# KiCad board FPGA-BOARDver3.kicad_pcb (continued)
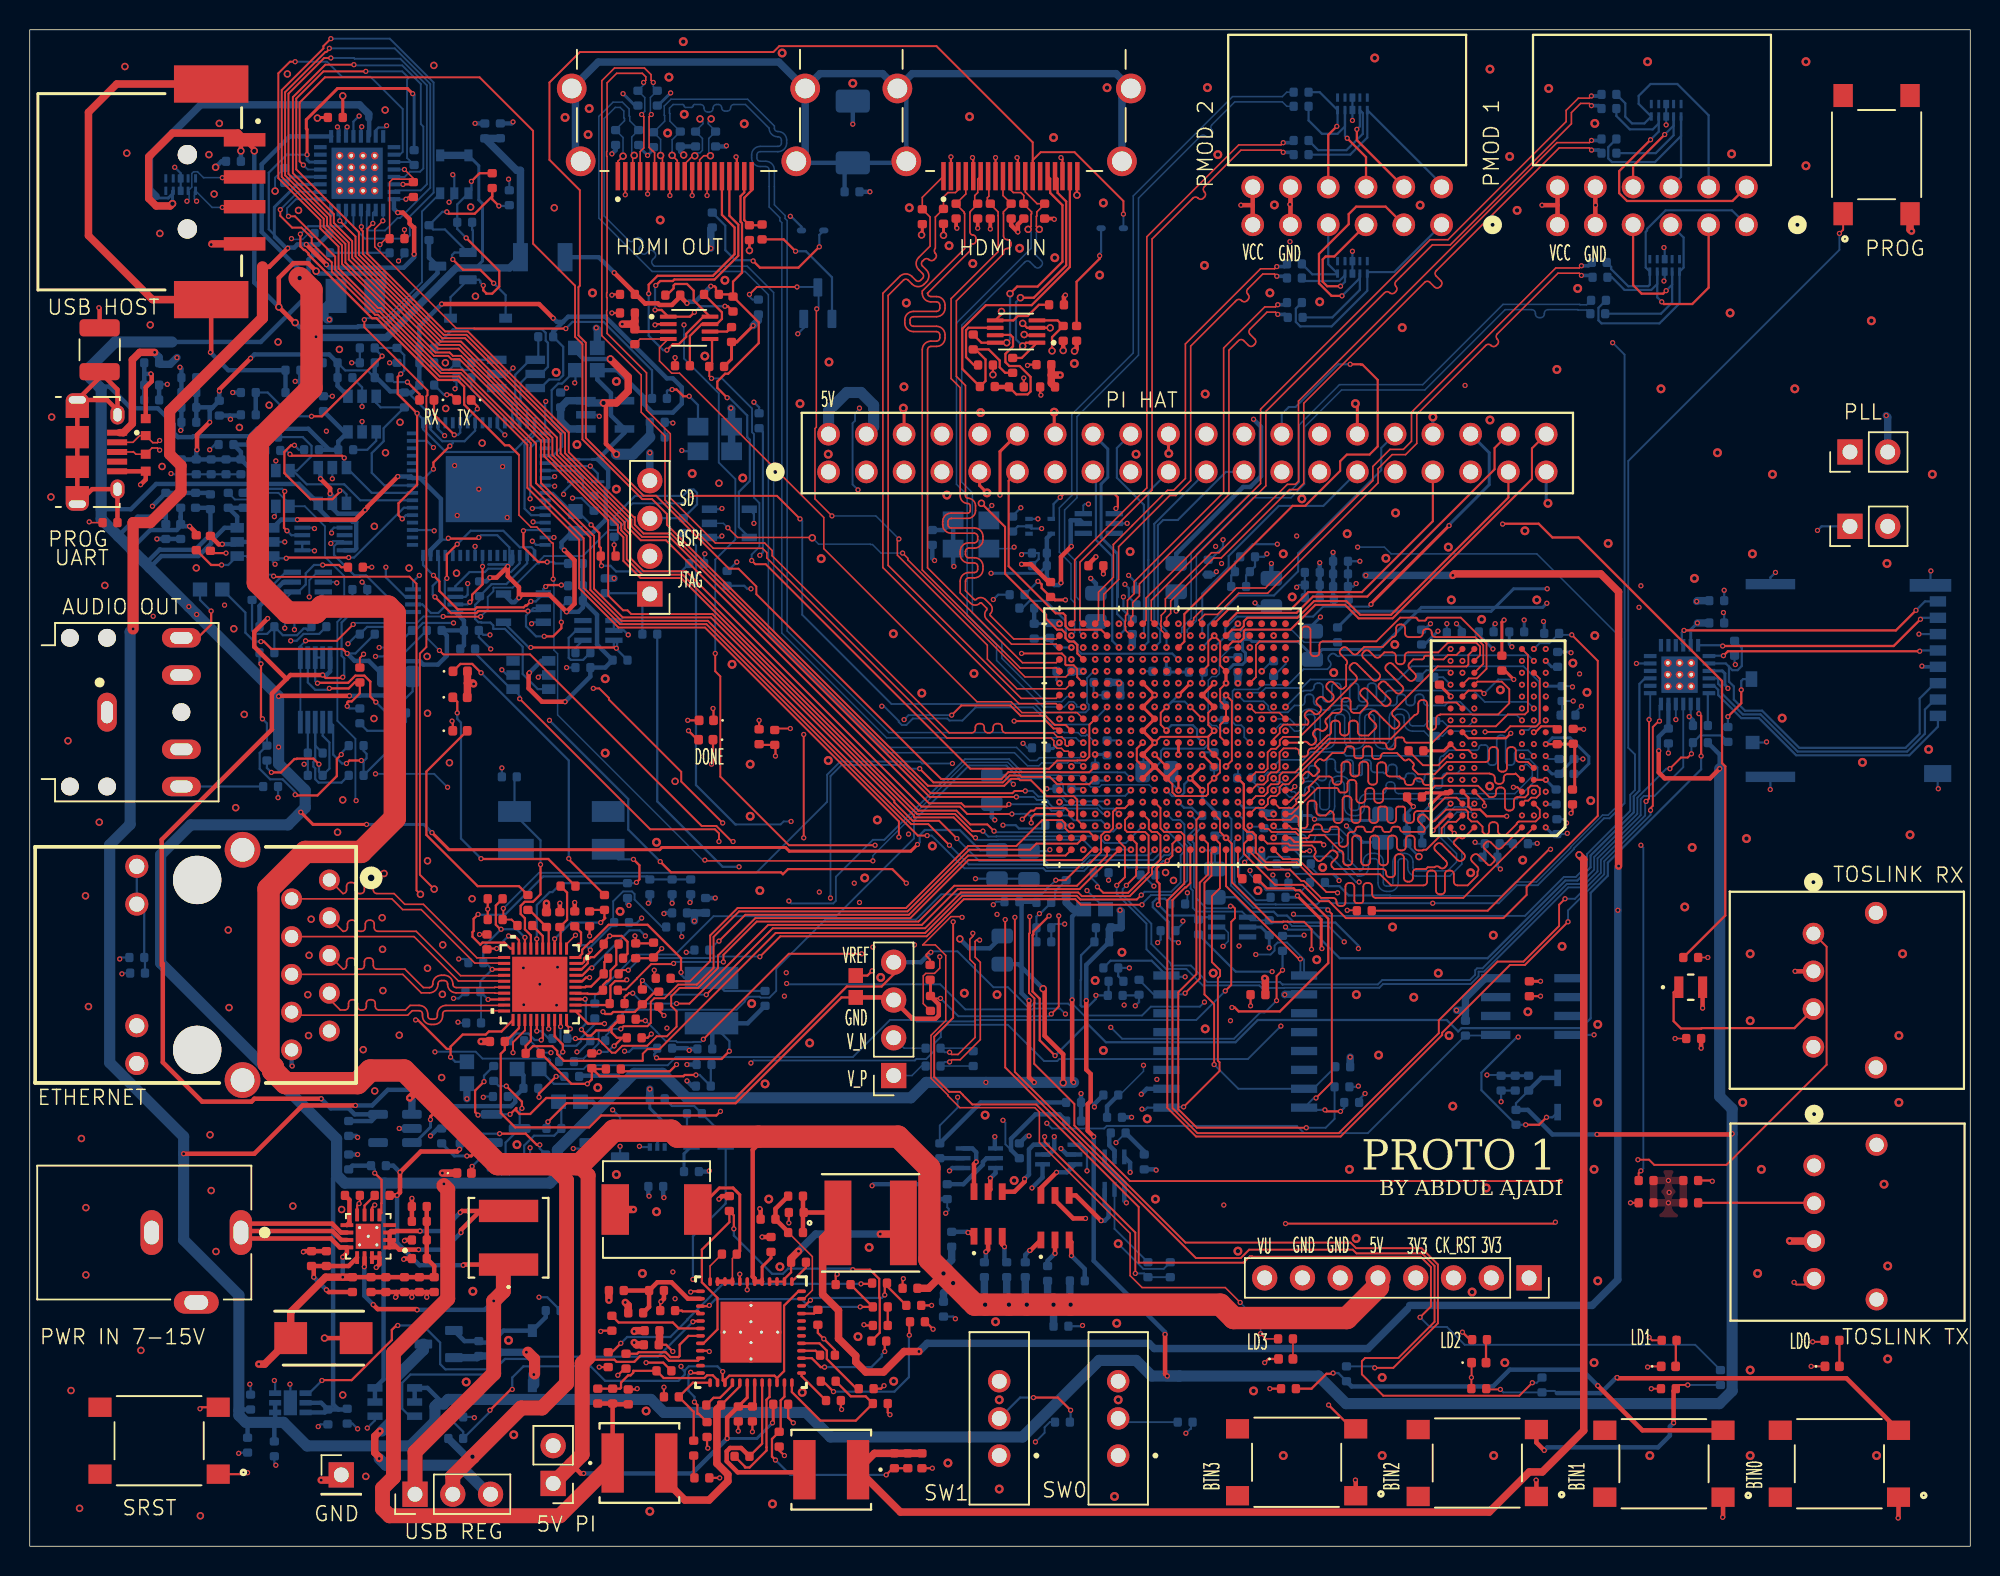
[diagram p0: board, top side]
## Footprints (pads in the part's own frame, mm; a bottom-side part is the same pattern mirrored in y, then rotated) (continued)
CONN_PPPC062LJBN-RC_SUL
  round 1.524 hole 1.016: 1(0,0) 2(2.54,0) 3(5.08,0) 4(7.62,0) 5(10.16,0) 6(12.7,0) 7(0,-2.54) 8(2.54,-2.54) 9(5.08,-2.54) 10(7.62,-2.54) 11(10.16,-2.54) 12(12.7,-2.54)
CONN_PRT-14017_SPK
  round 1.524 hole 1.016: 1(0,0) 2(0,2.54) 3(2.54,0) 4(2.54,2.54) 5(5.08,0) 6(5.08,2.54) 7(7.62,0) 8(7.62,2.54) 9(10.16,0) 10(10.16,2.54) 11(12.7,0) 12(12.7,2.54) 13(15.24,0) 14(15.24,2.54) 15(17.78,0) 16(17.78,2.54) 17(20.32,0) 18(20.32,2.54) 19(22.86,0) 20(22.86,2.54) 21(25.4,0) 22(25.4,2.54) 23(27.94,0) 24(27.94,2.54) 25(30.48,0) 26(30.48,2.54) 27(33.02,0) 28(33.02,2.54) 29(35.56,0) 30(35.56,2.54) 31(38.1,0) 32(38.1,2.54) 33(40.64,0) 34(40.64,2.54) 35(43.18,0) 36(43.18,2.54) 37(45.72,0) 38(45.72,2.54) 39(48.26,0) 40(48.26,2.54)
CR_050R3C2P_AVX
  rect 0.61x0.66 smd: 1(-0.572,0) 2(0.572,0)
CRYSTAL_TXC_7M
  rect 1.194x1.397 smd: 1(-0.826,1.13) 2(-0.826,-1.13) 3(0.826,-1.13) 4(0.826,1.13)
CUI_PJ-102AH
  oval 1.508x3.016 hole 1x1.6: 1(-6.5,0) 2(-0.5,0)
  oval 3.016x1.508 hole 1.6x1: 3(-3.5,4.7)
CUI_SJ1-3525NG
  round 1.2 hole 1.2 unplated: (-2.5,5) (-2.5,-5) (0,5) (0,-5) (5,0)
  oval 1.308x2.616 hole 0.8x1.5: 1(0,0)
  oval 2.616x1.308 hole 1.5x0.8: 2(5,-5) 3(5,5) 4(5,-2.5) 5(5,2.5)
DBV0005A_L
  rect 0.8x0.55 smd: 1(-1.275,0.95) 2(-1.275,0) 3(-1.275,-0.95) 4(1.275,-0.95) 5(1.275,0.95)
DBV0006A_L
  rect 0.9x0.65 smd: 1(-1.2,0.95) 2(-1.2,0) 3(-1.2,-0.95) 4(1.2,-0.95) 5(1.2,0) 6(1.2,0.95)
DIOM5436X244N
  rect 2.2x2.15 smd: 1(-2.2,0) 2(2.2,0)
DMG2305UX_13
  rrect 1.18x0.61 smd: 1(-1.025,0.915) 2(-1.025,-0.915) 3(1.025,0)
FDV301N
  rrect 1.23x0.6 smd: 1(-1.06,0.95) 2(-1.06,-0.95) 3(1.06,0)
FUSE_PRG-18_MUR
  rect 0.965x0.94 smd: 1(-0.749,0) 2(0.749,0)
HALO_FASTJACK
  round 3.25 hole 3.25 unplated: (-5.715,-3.05) (5.715,-3.05)
  round 1.4 hole 0.89: 1(-5.715,5.84) 2(-4.445,3.3) 3(-3.175,5.84) 4(-1.905,3.3) 5(-0.635,5.84) 6(0.635,3.3) 7(1.905,5.84) 8(3.175,3.3) 9(4.445,5.84) 10(5.715,3.3)
  round 1.55 hole 1.02: 11(-6.63,-7.11) 12(-4.09,-7.11) 13(4.09,-7.11) 14(6.63,-7.11)
  round 2.4 hole 1.6: 15(-7.745,0) 16(7.745,0)
IC_TPD4E05U06DQAR
  rrect 0.565x0.2 smd: 1(-0.417,1) 2(-0.417,0.5) 4(-0.417,-0.5) 5(-0.417,-1) 6(0.417,-1) 7(0.417,-0.5) 9(0.417,0.5) 10(0.417,1)
  rrect 0.565x0.4 smd: 3(-0.417,0) 8(0.417,0)
IND_SRP6540-1R5M
  rect 1.85x3.4 smd: 1(-2.775,0) 2(2.775,0)
IND_TAIYO_CBC2012_TAY
  rect 0.61x1.448 smd: 1(-0.8,0) 2(0.8,0)
IND_TAIYO_NR5040_TAY
  rect 1.499x3.988 smd: 1(-1.803,0) 2(1.803,0)
IND_TYS60282_LRD
  rect 1.803x5.69 smd: 1(-2.2,0) 2(2.2,0)
KC2016K_KYO
  rect 0.889x0.203 smd: 1(-0.813,0.75) 2(-0.813,-0.75) 3(0.813,-0.75) 4(0.813,0.75)
LED_0402_1005Metric
  rrect 0.59x0.64 smd: 1(-0.485,0) 2(0.485,0)
LED_SMLV56_ROM
  rect 1.118x0.457 smd: 1(-1.499,0.95) 2(-1.499,0) 3(-1.499,-0.95) 4(1.499,-0.95) 5(1.499,0) 6(1.499,0.95)
MLP6_2X2_ONS
  rect 0.813x0.381 smd: 1(-1.023,0.65) 2(-1.023,0) 3(-1.023,-0.65) 4(1.023,-0.65) 5(1.023,0) 6(1.023,0.65)
  rect 0.889x1.676 smd: 7(0,0)
MOLEX_503398-1892
  rect 0.7x1.1 smd: 1(-2.38,5.625) 2(-1.28,5.625) 3(-0.18,5.625) 4(0.92,5.625) 5(2.02,5.625) 6(3.12,5.625) 7(4.22,5.625) 8(5.32,5.625)
  rect 0.9x0.93 smd: 9(-4.17,-6.84)
  rect 1.05x0.78 smd: 10(0.095,-6.915)
  rect 1.14x1.83 smd: P1(-6.26,5.61)
  rect 0.86x2.8 smd: P2(6.4,5.125)
  rect 0.7x3.33 smd: P3(-6.48,-5.64) P4(6.48,-5.64)
NC7WZ07P6X
  rect 1.168x0.356 smd: 1(-1.041,0.66) 2(-1.041,0) 3(-1.041,-0.66) 4(1.041,-0.66) 5(1.041,0) 6(1.041,0.66)
OSC_SG-8018CE_50.0000M-TJHPA
  rect 1.2x1.4 smd: 1(-0.95,1.2) 2(-0.95,-1.2) 3(0.95,-1.2) 4(0.95,1.2)
PinHeader_1x01_P2.54mm_Vertical
  rect 1.7x1.7 hole 1: 1(0,0)
PinHeader_1x02_P2.54mm_Vertical
  rect 1.7x1.7 hole 1: 1(0,0)
  oval 1.7x1.7 hole 1: 2(0,-2.54)
PinHeader_1x03_P2.54mm_Vertical
  rect 1.7x1.7 hole 1: 1(0,0)
  oval 1.7x1.7 hole 1: 2(0,-2.54) 3(0,-5.08)
PinHeader_1x04_P2.54mm_Vertical
  rect 1.7x1.7 hole 1: 1(0,0)
  oval 1.7x1.7 hole 1: 2(0,-2.54) 3(0,-5.08) 4(0,-7.62)
PinSocket_1x04_P2.54mm_Vertical
  rect 1.7x1.7 hole 1: 1(0,0)
  oval 1.7x1.7 hole 1: 2(0,-2.54) 3(0,-5.08) 4(0,-7.62)
PinSocket_1x08_P2.54mm_Vertical
  rect 1.7x1.7 hole 1: 1(0,0)
  oval 1.7x1.7 hole 1: 2(0,-2.54) 3(0,-5.08) 4(0,-7.62) 5(0,-10.16) 6(0,-12.7) 7(0,-15.24) 8(0,-17.78)
PTS120630V012
  rect 1x1.9 smd: 1(-1.5,0) 2(1.5,0)
R_0402
  rrect 0.56x0.62 smd: 1(-0.5,0) 2(0.5,0)
RGZ0048B
  oval 0.6x0.24 smd: 1(-3.4,2.75) 2(-3.4,2.25) 3(-3.4,1.75) 4(-3.4,1.25) 5(-3.4,0.75) 6(-3.4,0.25) 7(-3.4,-0.25) 8(-3.4,-0.75) 9(-3.4,-1.25) 10(-3.4,-1.75) 11(-3.4,-2.25) 12(-3.4,-2.75) 25(3.4,-2.75) 26(3.4,-2.25) 27(3.4,-1.75) 28(3.4,-1.25) 29(3.4,-0.75) 30(3.4,-0.25) 31(3.4,0.25) 32(3.4,0.75) 33(3.4,1.25) 34(3.4,1.75) 35(3.4,2.25) 36(3.4,2.75)
  oval 0.24x0.6 smd: 13(-2.75,-3.4) 14(-2.25,-3.4) 15(-1.75,-3.4) 16(-1.25,-3.4) 17(-0.75,-3.4) 18(-0.25,-3.4) 19(0.25,-3.4) 20(0.75,-3.4) 21(1.25,-3.4) 22(1.75,-3.4) 23(2.25,-3.4) 24(2.75,-3.4) 37(2.75,3.4) 38(2.25,3.4) 39(1.75,3.4) 40(1.25,3.4) 41(0.75,3.4) 42(0.25,3.4) 43(-0.25,3.4) 44(-0.75,3.4) 45(-1.25,3.4) 46(-1.75,3.4) 47(-2.25,3.4) 48(-2.75,3.4)
  rect 4.1x4.1 smd: 49(0,0)
  round 0.5 hole 0.203: V(-1.8,0) V(-0.7,0) V(0,1.8) V(0,0.7) V(0,-0.7) V(0,-1.8) V(0.7,0) V(1.8,0)
RHB32_3P45X3P45
  rect 0.85x0.28 smd: 1(-2.475,1.75) 2(-2.475,1.25) 3(-2.475,0.75) 4(-2.475,0.25) 5(-2.475,-0.25) 6(-2.475,-0.75) 7(-2.475,-1.25) 8(-2.475,-1.75) 17(2.475,-1.75) 18(2.475,-1.25) 19(2.475,-0.75) 20(2.475,-0.25) 21(2.475,0.25) 22(2.475,0.75) 23(2.475,1.25) 24(2.475,1.75)
  rect 0.28x0.85 smd: 9(-1.75,-2.475) 10(-1.25,-2.475) 11(-0.75,-2.475) 12(-0.25,-2.475) 13(0.25,-2.475) 14(0.75,-2.475) 15(1.25,-2.475) 16(1.75,-2.475) 25(1.75,2.475) 26(1.25,2.475) 27(0.75,2.475) 28(0.25,2.475) 29(-0.25,2.475) 30(-0.75,2.475) 31(-1.25,2.475) 32(-1.75,2.475)
  rect 3.45x3.45 smd: 33(0,0)
  round 0.508 hole 0.254: V(-1.181,-1.181) V(-1.181,-0.394) V(-1.181,0.394) V(-1.181,1.181) V(-0.394,-1.181) V(-0.394,-0.394) V(-0.394,0.394) V(-0.394,1.181) V(0.394,-1.181) V(0.394,-0.394) V(0.394,0.394) V(0.394,1.181) V(1.181,-1.181) V(1.181,-0.394) V(1.181,0.394) V(1.181,1.181)
RM_10_ADI
  rect 1.524x0.33 smd: 1(-2.172,1) 2(-2.172,0.5) 3(-2.172,0) 4(-2.172,-0.5) 5(-2.172,-1) 6(2.172,-1) 7(2.172,-0.5) 8(2.172,0) 9(2.172,0.5) 10(2.172,1)
RTL8211F-CG_RTK
  rect 0.813x0.203 smd: 1(-2.4,1.8) 2(-2.4,1.4) 3(-2.4,1) 4(-2.4,0.6) 5(-2.4,0.2) 6(-2.4,-0.2) 7(-2.4,-0.6) 8(-2.4,-1) 9(-2.4,-1.4) 10(-2.4,-1.8) 21(2.4,-1.8) 22(2.4,-1.4) 23(2.4,-1) 24(2.4,-0.6) 25(2.4,-0.2) 26(2.4,0.2) 27(2.4,0.6) 28(2.4,1) 29(2.4,1.4) 30(2.4,1.8)
  rect 0.203x0.813 smd: 11(-1.8,-2.4) 12(-1.4,-2.4) 13(-1,-2.4) 14(-0.6,-2.4) 15(-0.2,-2.4) 16(0.2,-2.4) 17(0.6,-2.4) 18(1,-2.4) 19(1.4,-2.4) 20(1.8,-2.4) 31(1.8,2.4) 32(1.4,2.4) 33(1,2.4) 34(0.6,2.4) 35(0.2,2.4) 36(-0.2,2.4) 37(-0.6,2.4) 38(-1,2.4) 39(-1.4,2.4) 40(-1.8,2.4)
  rect 3.708x3.708 smd: 41(0,0)
RTW24_2P45X2P45
  rect 0.85x0.28 smd: 1(-1.975,1.25) 2(-1.975,0.75) 3(-1.975,0.25) 4(-1.975,-0.25) 5(-1.975,-0.75) 6(-1.975,-1.25) 13(1.975,-1.25) 14(1.975,-0.75) 15(1.975,-0.25) 16(1.975,0.25) 17(1.975,0.75) 18(1.975,1.25)
  rect 0.28x0.85 smd: 7(-1.25,-1.975) 8(-0.75,-1.975) 9(-0.25,-1.975) 10(0.25,-1.975) 11(0.75,-1.975) 12(1.25,-1.975) 19(1.25,1.975) 20(0.75,1.975) 21(0.25,1.975) 22(-0.25,1.975) 23(-0.75,1.975) 24(-1.25,1.975)
  rect 2.45x2.45 smd: 25(0,0)
  round 0.508 hole 0.254: V(-0.787,-0.787) V(-0.787,0) V(-0.787,0.787) V(0,-0.787) V(0,0) V(0,0.787) V(0.787,-0.787) V(0.787,0) V(0.787,0.787)
SAMTEC_USB-A-S-X-X-SM2
  round 1.3 hole 1.3 unplated: (-2.5,0) (2.5,0)
  rrect 0.9x2.8 smd: 01(-3.5,3.85) 02(-1,3.85) 03(1,3.85) 04(3.5,3.85)
  rect 2.5x5 smd: S1(-7.25,1.6) S2(7.25,1.6)
SC-74A_318BQ_ONS
  rect 1.029x0.508 smd: 1(-1.34,0.95) 2(-1.34,0) 3(-1.34,-0.95) 4(1.34,-0.95) 5(1.34,0.95)
SIP32510DT-T1-GE3_VIS
  rect 1.016x0.508 smd: 1(-1.333,0.95) 2(-1.333,0) 3(-1.333,-0.95) 4(1.333,-0.95) 5(1.333,0) 6(1.333,0.95)
SO3016_INF
  rect 1.765x0.559 smd: 1(-4.629,4.445) 2(-4.629,3.175) 3(-4.629,1.905) 4(-4.629,0.635) 5(-4.629,-0.635) 6(-4.629,-1.905) 7(-4.629,-3.175) 8(-4.629,-4.445) 9(4.629,-4.445) 10(4.629,-3.175) 11(4.629,-1.905) 12(4.629,-0.635) 13(4.629,0.635) 14(4.629,1.905) 15(4.629,3.175) 16(4.629,4.445)
SODFL1608X70N
  oval 0.63x0.4 smd: A(0.75,0) C(-0.75,0)
SOIC8_4P9X3P9MC_MCH
  rect 1.981x0.559 smd: 1(-2.464,1.905) 2(-2.464,0.635) 3(-2.464,-0.635) 4(-2.464,-1.905) 5(2.464,-1.905) 6(2.464,-0.635) 7(2.464,0.635) 8(2.464,1.905)
SOP50P310X90-8N
  rrect 1.12x0.27 smd: 1(-1.405,0.75) 2(-1.405,0.25) 3(-1.405,-0.25) 4(-1.405,-0.75) 5(1.405,-0.75) 6(1.405,-0.25) 7(1.405,0.25) 8(1.405,0.75)
SOT236
  rect 0.3x1 smd: 1(-0.66,-1.09) 2(0,-1.09) 3(0.66,-1.09) 4(0.66,1.09) 5(0,1.09) 6(-0.66,1.09)
SOT553-5_ONS
  rect 0.508x0.279 smd: 1(-0.749,0.5) 2(-0.749,0) 3(-0.749,-0.5) 4(0.749,-0.5) 5(0.749,0.5)
SOT-23
  rrect 1.475x0.6 smd: 1(-0.938,0.95) 2(-0.938,-0.95) 3(0.938,0)
SOT-23-5
  rrect 1.325x0.6 smd: 1(-1.137,0.95) 2(-1.137,0) 3(-1.137,-0.95) 4(1.137,-0.95) 5(1.137,0.95)
SOT-23-5_MC_MCH
  rect 1.321x0.508 smd: 1(-1.295,0.95) 2(-1.295,0) 3(-1.295,-0.95) 4(1.295,-0.95) 5(1.295,0.95)
SOT-23-6_MC_MCH
  rect 1.321x0.559 smd: 1(-1.295,0.95) 2(-1.295,0) 3(-1.295,-0.95) 4(1.295,-0.95) 5(1.295,0) 6(1.295,0.95)
SRN4018
  rect 1.5x3.6 smd: 1(-1.525,0) 2(1.525,0)
SW_EG1218
  round 1.508 hole 1: 1(-2.5,0) 2(0,0) 3(2.5,0)
SW_PTS645SK50SMTR92LFS
  rect 1.55x1.3 smd: 1(-3.975,2.25) 2(3.975,2.25) 3(-3.975,-2.25) 4(3.975,-2.25)
TLV62130RGTT
  rrect 0.86x0.26 smd: 1(-1.435,0.75) 2(-1.435,0.25) 3(-1.435,-0.25) 4(-1.435,-0.75) 9(1.435,-0.75) 10(1.435,-0.25) 11(1.435,0.25) 12(1.435,0.75)
  rrect 0.26x0.86 smd: 5(-0.75,-1.435) 6(-0.25,-1.435) 7(0.25,-1.435) 8(0.75,-1.435) 13(0.75,1.435) 14(0.25,1.435) 15(-0.25,1.435) 16(-0.75,1.435)
  rect 1.68x1.68 smd: 17(0,0)
  round 0.4 hole 0.2: 18(0,0) 19(-0.58,0.58) 20(0.58,0.58) 21(-0.58,-0.58) 22(0.58,-0.58)
TORX1950AF_TOS
  round 1.448 hole 0.94: 1(0,0) 2(-2.54,0) 3(-5.08,0) 4(-7.62,0)
  round 1.473 hole 0.965: 5(-9.01,-4.2) 6(1.39,-4.2)
TOTX1950AF_TOS
  round 1.448 hole 0.94: 1(0,0) 2(-2.54,0) 3(-5.08,0) 4(-7.62,0)
  round 1.473 hole 0.965: 5(-9.01,-4.2) 6(1.39,-4.2)
US8-8_2P1X2P4_ONS
  rect 1.067x0.279 smd: 1(-1.422,0.762) 2(-1.422,0.254) 3(-1.422,-0.254) 4(-1.422,-0.762) 5(1.422,-0.762) 6(1.422,-0.254) 7(1.422,0.254) 8(1.422,0.762)
USC_TOS
  rect 1.111x0.451 smd: 1(-1.15,0) 2(1.15,0)
XTAL_ABMM-25.000MHZ-B2-T
  rect 1.4x2.2 smd: 1(-1.27,3.15) 2(1.27,3.15) 3(1.27,-3.15)
  rect 1.4x2.4 smd: 4(-1.27,-3.05)
ZDO_SOD123_DIO
  rect 0.864x0.61 smd: 1(-1.854,0) 2(1.854,0)

## Nets
+1V0: C91.1 C94.1 C95.1 C96.1 C109.1 C110.1 C111.1 C112.1 C114.1 C117.1 C126.1 C127.1 C128.1 C131.1 C136.1 C169.1 C170.1 L10.1 R109.1 U1.G7 U1.G11 U1.G13 U1.H10 U1.H12 U1.J7 U1.J13 U1.K12 U1.L7 U1.L13 U1.M12 U1.N7 U1.N13 U1.P8 U1.P12 U1.R7 U1.R13
+1V5: C34.1 C36.1 C37.1 C38.1 C39.1 C40.1 C41.1 C42.1 C43.1 C44.1 C45.1 C46.1 C47.1 C48.1 C49.1 C50.1 C51.1 C82.1 C83.1 C84.1 C85.1 C86.1 C87.1 C88.1 C89.1 C90.1 C156.1 C161.1 IC1.A1 IC1.A8 IC1.B2 IC1.C1 IC1.C9 IC1.D2 IC1.D9 IC1.E9 IC1.F1 IC1.G7 IC1.H2 IC1.H9 IC1.K2 IC1.K8 IC1.N1 IC1.N9 IC1.R1 IC1.R9 L7.1 R7.1 R17.1 R103.1 U1.A3 U1.D2 U1.E5 U1.G1 U1.H4 U1.L3 U1.P2 U1.R5 U1.U1 U1.V4
+1V8: C21.1 C76.1 C78.1 C97.1 C108.1 C118.1 C124.1 C125.1 C132.1 C163.1 C164.1 C172.1 C173.1 C222.1 C225.1 C227.1 C229.1 C231.1 C232.1 C233.1 FL1.2 FL2.1 L6.1 R105.1 R205.2 R221.2 R224.2 R226.2 R228.2 R230.2 R231.2 R232.2 R233.2 U1.F8 U1.F11 U1.G9 U1.H8 U1.J11 U1.K8 U1.L11 U1.M8 U1.N9 U1.N11 U1.P10 U1.R9 U9.5 U9.6 U17.5 U18.5 U20.2 U20.3 U39.6 U42.6 U43.6 U44.6 U46.8 U47.8
+3V3: C9.1 C10.2 C11.2 C14.1 C15.1 C22.1 C23.1 C33.1 C67.1 C68.1 C79.1 C80.1 C92.1 C98.1 C99.1 C100.1 C101.1 C102.1 C103.1 C104.1 C105.1 C106.1 C107.1 C115.1 C119.1 C120.1 C121.1 C122.1 C123.1 C129.1 C133.1 C134.1 C135.1 C138.1 C166.1 C167.1 C176.1 C184.2 C187.2 C200.1 CR5.1 CR5.4 D25.1 D32.2 D33.2 FL3.1 J4.4 J5.2 J7.2 J7.4 J13.4 L1.2 L5.1 P1.6 P1.12 P2.6 P2.12 R36.1 R45.2 R46.2 R52.2 R53.1 R54.1 R92.1 R93.1 R107.1 R114.1 R116.1 R117.1 R124.1 R127.2 R128.2 R129.2 R130.2 R131.1 R134.2 R135.2 R136.2 R137.2 R138.2 R139.2 R140.2 R141.2 R142.2 R143.2 R144.2 R145.2 R146.2 R147.2 R148.2 R149.2 R150.2 R151.2 R155.2 R156.2 R176.2 R177.2 R182.2 R186.2 R189.2 R190.2 R191.2 R192.2 S6.1 S7.1 S8.1 S9.1 SW0.3 SW1.3 U1.B6 U1.C19 U1.D7 U1.F18 U1.H14 U1.J17 U1.K6 U1.K20 U1.M6 U1.M16 U1.N6 U1.N19 U1.R6 U1.R15 U1.T6 U1.T8 U1.T18 U1.U11 U1.V14 U1.W7 U1.W17 U1.Y10 U1.Y20 U4.8 U5.3 U7.2 U8.3 U13.17 U13.21 U19.5 U23.5 U24.3 U26.20 U26.21 Y2.1 Y2.4
+5V: C6.1 C7.1 C19.1 C139.1 C140.1 C141.1 C142.1 C144.1 C186.2 F1.2 J3.2 J7.5 J17.1 R30.1 R31.1 R32.1 R58.1 R59.1 R60.1 R85.1 R202.2 U15.1 U15.3 U22.5 U22.6 U22.22 U22.30 U22.31 U25.4 U25.5 U26.17
/USB_JTAG_PROGRAMMING/1V8: C204.1 C205.1 C206.1 C207.1 U3.12 U3.37 U3.49 U3.64
/USB_JTAG_PROGRAMMING/3V3: C201.1 C202.1 C211.1 C214.1 C215.1 C216.1 C217.1 C218.1 C221.1 C223.1 C224.1 C226.1 C228.1 C230.1 FL6.2 FL8.1 R111.1 R113.1 R208.1 R209.1 R210.1 R212.1 R213.1 R214.1 R219.1 R220.1 R222.2 R223.2 R225.2 R227.2 R229.2 U3.20 U3.31 U3.42 U3.50 U3.56 U36.5 U37.6 U38.1 U38.4 U39.1 U39.5 U41.5 U42.1 U43.1 U43.5 U44.1 U45.1
/USB_JTAG_PROGRAMMING/VIN: C208.1 FL7.1 J16.1
AVCC3V3: C1.1 C2.1 C20.1 R9.2 U10.10 U15.5 U21.5
GNDREF: C1.2 C2.2 C3.2 C4.2 C5.2 C6.2 C7.2 C8.2 C9.2 C10.1 C11.1 C14.2 C15.2 C17.2 C19.2 C20.2 C21.2 C22.2 C23.2 C24.2 C25.2 C28.2 C29.2 C30.2 C31.2 C33.2 C35.2 C36.2 C37.2 C38.2 C39.2 C40.2 C41.2 C42.2 C43.2 C44.2 C45.2 C46.2 C47.2 C48.2 C49.2 C50.2 C51.2 C52.2 C53.2 C54.2 C55.2 C56.2 C57.2 C58.2 C59.2 C60.2 C61.2 C62.2 C63.2 C64.2 C65.2 C66.2 C67.2 C68.2 C69.2 C70.2 C71.2 C72.2 C73.2 C74.2 C75.2 C76.2 C77.2 C78.2 C79.2 C80.2 C81.2 C82.2 C83.2 C84.2 C85.2 C86.2 C87.2 C88.2 C89.2 C90.2 C91.2 C92.2 C93.2 C94.2 C95.2 C96.2 C97.2 C98.2 C99.2 C100.2 C101.2 C102.2 C103.2 C104.2 C105.2 C106.2 C107.2 C108.2 C109.2 C110.2 C111.2 C112.2 C113.2 C114.2 C115.2 C116.2 C117.2 C118.2 C119.2 C120.2 C121.2 C122.2 C123.2 C124.2 C125.2 C126.2 C127.2 C128.2 C129.2 C130.2 C131.2 C132.2 C133.2 C134.2 C135.2 C136.2 C137.2 C138.2 C139.2 C140.2 C141.2 C142.2 C143.1 C144.2 C145.2 C146.2 C147.1 C148.1 C149.1 C150.1 C151.1 C152.1 C153.1 C154.1 C156.2 C157.1 C158.1 C159.1 C160.1 C164.2 C167.2 C170.2 C171.2 C172.2 C173.2 C174.2 C176.2 C177.2 C180.2 C181.2 C184.1 C185.1 C186.1 C187.1 C188.1 C189.1 C190.1 C191.1 C192.2 C193.2 C194.2 C195.2 C196.2 C197.2 C198.2 C199.2 C200.2 C201.2 C202.2 C203.2 C204.2 C205.2 C206.2 C207.2 C208.2 C209.2 C210.2 C211.2 C212.2 C213.2 C214.2 C215.2 C216.2 C217.2 C218.2 C219.2 C220.2 C221.2 C222.2 C223.2 C224.2 C225.2 C226.2 C227.2 C228.2 C229.2 C230.2 C231.2 C232.2 C233.2 CR5.2 CR6.1 CR7.1 D1.1 D4.1 D5.1 D6.1 D28.1 D37.2 DONE1.2 FL5.1 IC1.A9 IC1.B1 IC1.B3 IC1.B9 IC1.D1 IC1.D8 IC1.E1 IC1.E2 IC1.E8 IC1.F9 IC1.G1 IC1.G8 IC1.G9 IC1.J2 IC1.J8 IC1.M1 IC1.M9 IC1.P1 IC1.P9 IC1.T1 IC1.T9 J1.2 J1.3 J2.1 J4.2 J7.6 J7.7 J9.1 J10.2 J10.5 J10.8 J10.11 J10.17 J11.2 J11.5 J11.8 J11.11 J11.17 J12.10 J13.6 J13.9 J13.P1 J13.P2 J13.P3 J13.P4 J14.6 J14.9 J14.14 J14.20 J14.25 J14.30 J14.34 J14.39 J15.04 J16.5 P1.5 P1.11 P2.5 P2.11 PWR1.1 Q8.2 Q9.2 R6.1 R10.2 R15.2 R19.2 R20.2 R21.2 R22.2 R23.2 R37.1 R38.1 R39.1 R41.1 R47.1 R51.2 R55.1 R56.1 R57.1 R64.1 R65.1 R66.1 R84.2 R86.2 R87.2 R89.2 R95.2 R96.2 R102.1 R104.2 R106.2 R108.2 R110.2 R112.2 R153.1 R154.1 R157.2 R158.2 R159.2 R172.1 R178.1 R179.1 R181.1 R188.2 R193.1 R196.1 R197.2 R198.2 R199.2 R202.1 R206.1 R216.2 R217.2 S1.3 S2.3 SW0.1 SW1.1 U1.A8 U1.A18 U1.B1 U1.B11 U1.C4 U1.C9 U1.C14 U1.D17 U1.E10 U1.E20 U1.F3 U1.F7 U1.F10 U1.G10 U1.G12 U1.G16 U1.H7 U1.H9 U1.H11 U1.H13 U1.H19 U1.J2 U1.J8 U1.J12 U1.K5 U1.K7 U1.K11 U1.K13 U1.K15 U1.L8 U1.L12 U1.L18 U1.M1 U1.M7 U1.M9 U1.M10 U1.M11 U1.M13 U1.N4 U1.N8 U1.N10 U1.N12 U1.N14 U1.P7 U1.P9 U1.P11 U1.P13 U1.P17 U1.R8 U1.R12 U1.R20 U1.T3 U1.T7 U1.T13 U1.U6 U1.U16 U1.V9 U1.V19 U1.W2 U1.W12 U1.Y5 U1.Y15 U3.1 U3.5 U3.10 U3.11 U3.13 U3.15 U3.25 U3.35 U3.47 U3.51 U3.65 U4.4 U5.1 U6.2 U6.4 U7.10 U8.2 U9.4 U10.4 U11.1 U11.3 U12.41 U13.2 U13.11 U13.25 U13.V U14.6 U14.8 U14.15 U14.16 U14.17 U14.18 U14.19 U14.20 U14.21 U14.22 U15.2 U17.2 U18.3 U19.3 U20.6 U20.7 U21.2 U22.7 U22.8 U22.21 U22.49 U22.V U23.2 U24.2 U25.2 U26.23 U26.33 U26.V U27.3 U27.8 U28.3 U28.8 U29.3 U29.8 U30.3 U30.8 U31.1 U31.4 U32.1 U32.4 U33.1 U33.4 U35.3 U35.8 U36.2 U37.2 U38.2 U39.2 U40.1 U40.2 U41.3 U42.2 U42.5 U43.2 U44.2 U44.5 U45.2 U45.5 U46.1 U46.2 U46.4 U47.4 Y2.2
VBUS: C27.1 C209.1 C210.1 CR4.1 FL7.2 Q7.2 R83.1 R218.2 U36.1 U36.3
VCC1V8_IO: C63.1 C72.1 C73.1 C93.1 C116.1 C130.1 C171.1 C174.1 C189.2 CR1.1 FL4.1 R18.1 R43.1 R183.2 R185.2 R188.1 R203.2 R204.2 U1.A13 U1.B16 U1.D12 U1.E15 U9.1 U9.2 U13.5 U20.4 U20.5 U26.11 U26.14 U26.32
VCC1V8_IO_DLY: C77.1 CR1.2 R183.1 U18.2
VCC1V8_IO_EDGE: U17.1 U18.4
VCCPLL: C113.1 C137.1 FL1.1 U1.G8
VDDD: C145.1 R99.2 U22.20
/POWER_REGULATION/VUSB: J3.3 Q7.3
/USB_JTAG_PROGRAMMING/ACBUS0: U3.26
/USB_JTAG_PROGRAMMING/ACBUS1: U3.27
/USB_JTAG_PROGRAMMING/ACBUS2: U3.28
/USB_JTAG_PROGRAMMING/ACBUS3: U3.29
/USB_JTAG_PROGRAMMING/ACBUS4/OE_R: R212.2 U3.32 U41.1
/USB_JTAG_PROGRAMMING/ACBUS5/SRSTn: R213.2 U3.30 U41.2
/USB_JTAG_PROGRAMMING/ACBUS6: U3.33
/USB_JTAG_PROGRAMMING/ACBUS7: U3.34
/USB_JTAG_PROGRAMMING/ADBUS0/TCK: U3.16 U46.5
/USB_JTAG_PROGRAMMING/ADBUS1/TDI: U3.17 U47.2
/USB_JTAG_PROGRAMMING/ADBUS2/TDO: R229.1 U3.18 U45.3
/USB_JTAG_PROGRAMMING/ADBUS3/TMS: U3.19 U47.5
/USB_JTAG_PROGRAMMING/ADBUS4/TCK: U3.21
/USB_JTAG_PROGRAMMING/ADBUS5: U3.22
/USB_JTAG_PROGRAMMING/ADBUS6: U3.23
/USB_JTAG_PROGRAMMING/ADBUS7/OE: R216.1 U3.24 U46.7 U47.1 U47.7
/USB_JTAG_PROGRAMMING/BCBUS0: U3.48
/USB_JTAG_PROGRAMMING/BCBUS1: U3.52
/USB_JTAG_PROGRAMMING/BCBUS2: U3.53
/USB_JTAG_PROGRAMMING/BCBUS3: RX1.1 U3.54
/USB_JTAG_PROGRAMMING/BCBUS4: TX1.1 U3.55
/USB_JTAG_PROGRAMMING/BCBUS5: U3.57
/USB_JTAG_PROGRAMMING/BCBUS6: U3.58
/USB_JTAG_PROGRAMMING/BCBUS7: R217.1 R218.1 U3.59
/USB_JTAG_PROGRAMMING/BDBUS0/TXD: R222.1 U3.38 U39.3
/USB_JTAG_PROGRAMMING/BDBUS1/RXD: R223.1 U3.39 U42.3
/USB_JTAG_PROGRAMMING/BDBUS2/RTS: R225.1 U3.40 U43.3
/USB_JTAG_PROGRAMMING/BDBUS3/CTS: R227.1 U3.41 U44.3
/USB_JTAG_PROGRAMMING/BDBUS4: U3.43
/USB_JTAG_PROGRAMMING/BDBUS5: U3.44
/USB_JTAG_PROGRAMMING/BDBUS6: U3.45
/USB_JTAG_PROGRAMMING/BDBUS7: U3.46
/USB_JTAG_PROGRAMMING/D_N: CR6.2 J16.2 U3.7
/USB_JTAG_PROGRAMMING/D_P: CR7.2 J16.3 U3.8
/USB_JTAG_PROGRAMMING/EECLK: R208.2 U3.62 U37.4
/USB_JTAG_PROGRAMMING/EECS: R113.2 U3.63 U37.5
/USB_JTAG_PROGRAMMING/EEDATA: R209.2 R211.1 U3.61 U37.1
/USB_JTAG_PROGRAMMING/REF: R215.1 U40.5
/USB_JTAG_PROGRAMMING/SRST: R215.2 U40.4
/USB_JTAG_PROGRAMMING/VPHY: C219.1 C220.1 FL8.2 U3.4
/USB_JTAG_PROGRAMMING/VPLL: C212.1 C213.1 FL6.1 U3.9
AUD_PWM: U1.R18 U21.1
AUD_SD: U1.T17 U10.5 U10.6
BTN0: R27.2 U1.D19
BTN1: R26.2 U1.D20
BTN2: R25.2 U1.L20
BTN3: R24.2 U1.L19
CE: U22.23
CK_RST: J7.3 R45.1 U1.D9 U23.4
CRYPTO_SDA: R117.2 U1.J15 U4.5
CTS: R228.1 U44.4
DDR3_A0: IC1.N3 U1.N2
DDR3_A1: IC1.P7 U1.K2
DDR3_A2: IC1.P3 U1.M3
DDR3_A3: IC1.N2 U1.K3
DDR3_A4: IC1.P8 U1.M4
DDR3_A5: IC1.P2 U1.L1
DDR3_A6: IC1.R8 U1.L4
DDR3_A7: IC1.R2 U1.K4
DDR3_A8: IC1.T8 U1.K1
DDR3_A9: IC1.R3 U1.J4
DDR3_A10: IC1.L7 U1.F5
DDR3_A11: IC1.R7 U1.G4
DDR3_A12: IC1.N7 U1.E4
DDR3_A13: IC1.T3 U1.D4
DDR3_A14: IC1.T7 U1.F4
DDR3_BA0: IC1.M2 U1.L5
DDR3_BA1: IC1.N8 U1.R4
DDR3_BA2: IC1.M3 U1.J5
DDR3_CAS: IC1.K3 U1.P5
DDR3_CK_N: IC1.K7 R5.2 U1.M2
DDR3_CK_P: IC1.J7 R5.1 U1.L2
DDR3_CKE0: IC1.K9 U1.N3
DDR3_CS: IC1.L2 U1.N1
DDR3_D0: IC1.E3 U1.E2
DDR3_D1: IC1.F7 U1.H1
DDR3_D2: IC1.F2 U1.E1
DDR3_D3: IC1.F8 U1.G3
DDR3_D4: IC1.H3 U1.J1
DDR3_D5: IC1.H8 U1.H3
DDR3_D6: IC1.G2 U1.H2
DDR3_D7: IC1.H7 U1.J3
DDR3_D8: IC1.D7 U1.E3
DDR3_D9: IC1.C3 U1.D1
DDR3_D10: IC1.C8 U1.D3
DDR3_D11: IC1.C2 U1.C1
DDR3_D12: IC1.A7 U1.B3
DDR3_D13: IC1.A2 U1.A4
DDR3_D14: IC1.B8 U1.C3
DDR3_D15: IC1.A3 U1.A2
DDR3_DM0: IC1.E7 U1.F1
DDR3_DM1: IC1.D3 U1.A1
DDR3_DQS0_N: IC1.G3 U1.F2
DDR3_DQS0_P: IC1.F3 U1.G2
DDR3_DQS1_N: IC1.B7 U1.B2
DDR3_DQS1_P: IC1.C7 U1.C2
DDR3_ODT0: IC1.K1 U1.N5
DDR3_RAS: IC1.J3 U1.P4
DDR3_RESET: IC1.T2 R96.1 U1.B4
DDR3_VREF: C4.1 C5.1 C34.2 C35.1 IC1.H1 IC1.M8 R17.2 R20.1 U1.H6 U1.P6
DDR3_WE: IC1.L3 U1.M5
EN_1: R85.2 R86.1 U22.13 U22.27 U22.34 U22.48
ETH_AVDD3V3: C69.1 C70.1 C71.1 FL3.2 U12.11 U12.40
ETH_INT_B: U1.E9 U12.31
ETH_LD0: D32.1 R173.2
ETH_LD1: D28.2 R174.2
ETH_LD2: D33.1 R175.2
ETH_MDC: U1.C10 U12.13
ETH_MDIO: R170.2 U1.C11 U12.14
ETH_RST_B: R182.1 U1.B5 U12.12 U17.6
ETH_RXCK: R161.2 U1.B17
ETH_RXCTL: R162.2 U1.D13
ETH_RXD0: R166.2 U1.D11
ETH_RXD1: R165.2 U1.A16
ETH_RXD2: R164.2 U1.F15
ETH_RXD3: R163.2 U1.A15
ETH_TD0_N: J12.2 U12.2
ETH_TD0_P: J12.1 U12.1
ETH_TD1_N: J12.4 U12.5
ETH_TD1_P: J12.3 U12.4
ETH_TD2_N: J12.6 U12.7
ETH_TD2_P: J12.5 U12.6
ETH_TD3_N: J12.8 U12.10
ETH_TD3_P: J12.7 U12.9
ETH_TXCLK: R239.2 U12.20
ETH_TXCTL: R235.2 U12.19
ETH_TXD0: R234.2 U12.18
ETH_TXD1: R236.2 U12.17
ETH_TXD2: R237.2 U12.16
ETH_TXD3: R238.2 U12.15
ETH_VCC1V0: C53.1 C54.1 C55.1 C57.1 C64.1 C65.1 L2.2 R180.2 U12.3 U12.8 U12.21 U12.38
ETH_VCC1V8: C74.1 C75.1 FL4.2 R160.1 R167.1 R168.1 R169.1 R170.1 U12.28
GPIO_0(EEPROM_SDA): J14.27 R191.1 U1.U9
GPIO_1(EEPROM_SCL): J14.28 R192.1 U1.U10
GPIO_2(I2C1_SDA): J14.3 R189.1 U1.T16
GPIO_3(I2C1_SCL): J14.5 R190.1 U1.U19
GPIO_4(GPCLK0): J14.7 U1.U18
GPIO_5: J14.29 U1.W8
GPIO_6: J14.31 U1.U8
GPIO_7(SPI0_CE1): J14.26 U1.V10
GPIO_8(SPI0_CE0): J14.24 U1.U12
GPIO_9(SPI_MISO): J14.21 U1.V12
GPIO_10(SPI_MOSI): J14.19 U1.V13
GPIO_11(SPI0_SCLK): J14.23 U1.V11
GPIO_12(PWM0): J14.32 U1.V8
GPIO_13(PWM1): J14.33 U1.Y7
GPIO_14(UART_TX): J14.8 U1.V18
GPIO_15(UART_RX): J14.10 U1.V17
GPIO_16: J14.36 U1.V7
GPIO_17: J14.11 U1.W16
GPIO_18(PCM_CLK): J14.12 U1.U17
GPIO_19(PCM_FS): J14.35 U1.U7
GPIO_20(PCM_DIN): J14.38 U1.Y6
GPIO_21(PCM_DOUT): J14.40 U1.V6
GPIO_22: J14.15 U1.V15
GPIO_23: J14.16 U1.W15
GPIO_24: J14.18 U1.W13
GPIO_25: J14.22 U1.U13
GPIO_26: J14.37 U1.W6
GPIO_27: J14.13 U1.V16
HDMI_RX_5V0: J11.18 R132.2 R133.2 R241.1
HDMI_RX_CEC: D26.C J11.13 U1.H17
HDMI_RX_CLK_N: J11.12 R134.1 U1.P19
HDMI_RX_CLK_P: J11.10 R135.1 U1.N18
HDMI_RX_D0_N: J11.9 R136.1 U1.W20
HDMI_RX_D0_P: J11.7 R137.1 U1.V20
HDMI_RX_D1_N: J11.6 R138.1 U1.U20
HDMI_RX_D1_P: J11.4 R139.1 U1.T20
HDMI_RX_D2_N: J11.3 R140.1 U1.P20
HDMI_RX_D2_P: J11.1 R141.1 U1.N20
HDMI_RX_HPD: U1.T19 U11.2
HDMI_RX_SCL: R129.1 U1.U14 U24.5
HDMI_RX_SCL_LS: J11.15 R132.1 U24.8
HDMI_RX_SDA: R130.1 U1.U15 U24.4
HDMI_RX_SDA_LS: J11.16 R133.1 U24.1
HDMI_TX_5V0: C25.1 F1.1 J10.18 R125.2 R126.2 R240.1 U11.5
HDMI_TX_CEC: D27.C J10.13 U1.G15
HDMI_TX_CLK_N: J10.12 R144.1 U1.L17
HDMI_TX_CLK_P: J10.10 R145.1 U1.L16
HDMI_TX_D0_N: J10.9 R146.1 U1.K18
HDMI_TX_D0_P: J10.7 R147.1 U1.K17
HDMI_TX_D1_N: J10.6 R148.1 U1.J19
HDMI_TX_D1_P: J10.4 R149.1 U1.K19
HDMI_TX_D2_N: J10.3 R150.1 U1.H18
HDMI_TX_D2_P: J10.1 R151.1 U1.J18
HDMI_TX_HPDN: Q9.3 R155.1 U1.R19
HDMI_TX_SCL: R127.1 U1.M17 U8.5
HDMI_TX_SCL_LS: J10.15 R125.1 U8.8
HDMI_TX_SDA: R128.1 U1.M18 U8.4
HDMI_TX_SDA_LS: J10.16 R126.1 U8.1
JA1_N: R68.1 U1.Y14
JA1_P: R67.1 U1.W14
JA2_N: R70.1 U1.Y17
JA2_P: R69.1 U1.Y16
JA3_N: R76.1 U1.Y19
JA3_P: R75.1 U1.Y18
JA4_N: R78.1 U1.W19
JA4_P: R77.1 U1.W18
JB1_N: R72.1 U1.Y8
JB1_P: R71.1 U1.Y9
JB2_N: R74.1 U1.W9
JB2_P: R73.1 U1.W10
JB3_N: R80.1 U1.Y13
JB3_P: R79.1 U1.Y12
JB4_N: R82.1 U1.Y11
JB4_P: R81.1 U1.W11
LED0: R14.1 U1.R14
LED1: R13.1 U1.P14
LED2: R2.1 U1.N16
LED3: R1.1 U1.M14
LED4_B: R33.2 R57.2 U1.L15
LED4_G: R35.2 R55.2 U1.G17
LED4_R: R34.2 R56.2 U1.N15
LED5_B: R61.2 R66.2 U1.G14
LED5_G: R63.2 R64.2 U1.L14
LED5_R: R62.2 R65.2 U1.M15
PG_ALL: CR2.1 R92.2 R187.2 U9.3 U20.1 U22.17
PG_ALL_DLY: C81.1 CR2.2 R187.1 U19.2
PG_ALL_EDGE: Q8.1 U19.4 U21.3
PI5V: J14.2 J14.4 J17.2
PS_CLK: R50.1 U1.E7
PS_POR_B: R93.2 S1.1 U1.C7 U21.4
PS_RST: R43.2 R44.2 U1.B10 U23.3
REG5V0: C31.1 J3.1 L3.1 R88.1 R91.1 U14.14
RST_N: R99.1 U22.39
RTS: R226.1 U43.4
SCL: U22.43
SD_CCLK: R8.2 U13.9
SD_CD: R184.1 R185.1 U1.B14
SD_CMD: U1.C17 U13.4
SD_D0: U1.E12 U13.6
SD_D1: U1.A9 U13.7
SD_D2: U1.F13 U13.1
SD_D3: U1.B15 U13.3
SDA: U22.42
SHIELD: C66.1 J12.11 J12.12 R181.2
SPDIF_RX: U1.K14 U6.1
SPDIF_TX: U1.J14 U5.4
SPI_CS: R116.2 U1.A7 U7.7
SPI_DQ0/MODE3: R40.2 U1.B8 U7.15
SPI_DQ1/MODE1: R38.2 U1.D6 U7.8
SPI_DQ2/MODE2: R49.1 U1.B7 U7.9
SPI_DQ3/MODE0: R48.1 U1.A6 U7.1
SPI_SCK/MODE4: R4.2 R42.2 U7.16
SPI_SCLK_FB/VCFG1: R36.2 U1.D5
SW0: R29.2 U1.M20
SW1: R28.2 U1.M19
SYSCLK: C62.1 R171.1 U1.H16
TCK: R120.2 R231.1 U46.3
TDI: R119.2 R232.1 U47.6
TDO: R121.2 R230.1 U45.4
TMS: R118.2 R233.1 U47.3
UART_RXD: R224.1 U1.C8 U42.4
UART_TXD: R221.1 U1.C5 U39.4
USB_SHIELD: C181.1 J15.S1 J15.S2 R198.1
USB_VCC5V0: C182.2 CR3.1 Q10.2 R200.1 U25.1
USBHOST_CLK: U1.A11 U26.26
USBHOST_DATA0: U1.A14 U26.3
USBHOST_DATA1: U1.D15 U26.4
USBHOST_DATA2: U1.A12 U26.5
USBHOST_DATA3: U1.F12 U26.6
USBHOST_DATA4: U1.C16 U26.7
USBHOST_DATA5: U1.A10 U26.9
USBHOST_DATA6: U1.E13 U26.10
USBHOST_DATA7: U1.C18 U26.13
USBHOST_DIR: U1.C13 U26.31
USBHOST_N: J15.02 U26.19 U35.2
USBHOST_NXT: U1.E16 U26.2
USBHOST_OC: U1.C6 U25.3
USBHOST_P: J15.03 U26.18 U35.1
USBHOST_RCLK: R201.2 U26.1
USBHOST_RESETN: R203.1 U1.D16 U26.27
USBHOST_STP: U1.C15 U26.29
USBHOST_VBUS: C180.1 C183.2 C185.2 J15.01 Q10.3 U26.22 U35.4
V_N: C16.2 R123.2 U1.L10
V_P: C16.1 R122.2 U1.K9
VCFG0: R37.2 U1.D8
VIDEO_SHIELD: C52.1 J10.SH1 J10.SH2 J10.SH3 J10.SH4 J11.SH1 J11.SH2 J11.SH3 J11.SH4 R153.2